# Altium PCB Arm.PcbDoc (part 1 of 2)
Units mil, origin at the board's own origin, x right, y up, seen from the top; angles counter-clockwise.
Board outline 6299.21 x 2952.76 mil, 4 copper layers (Top Layer, GND, 3V3, Bottom Layer), stack 61.811 mil thick; 133 components, 123 nets, 639 pads, 1064 vias.
Unrouted connection lines stored in the file: 2.
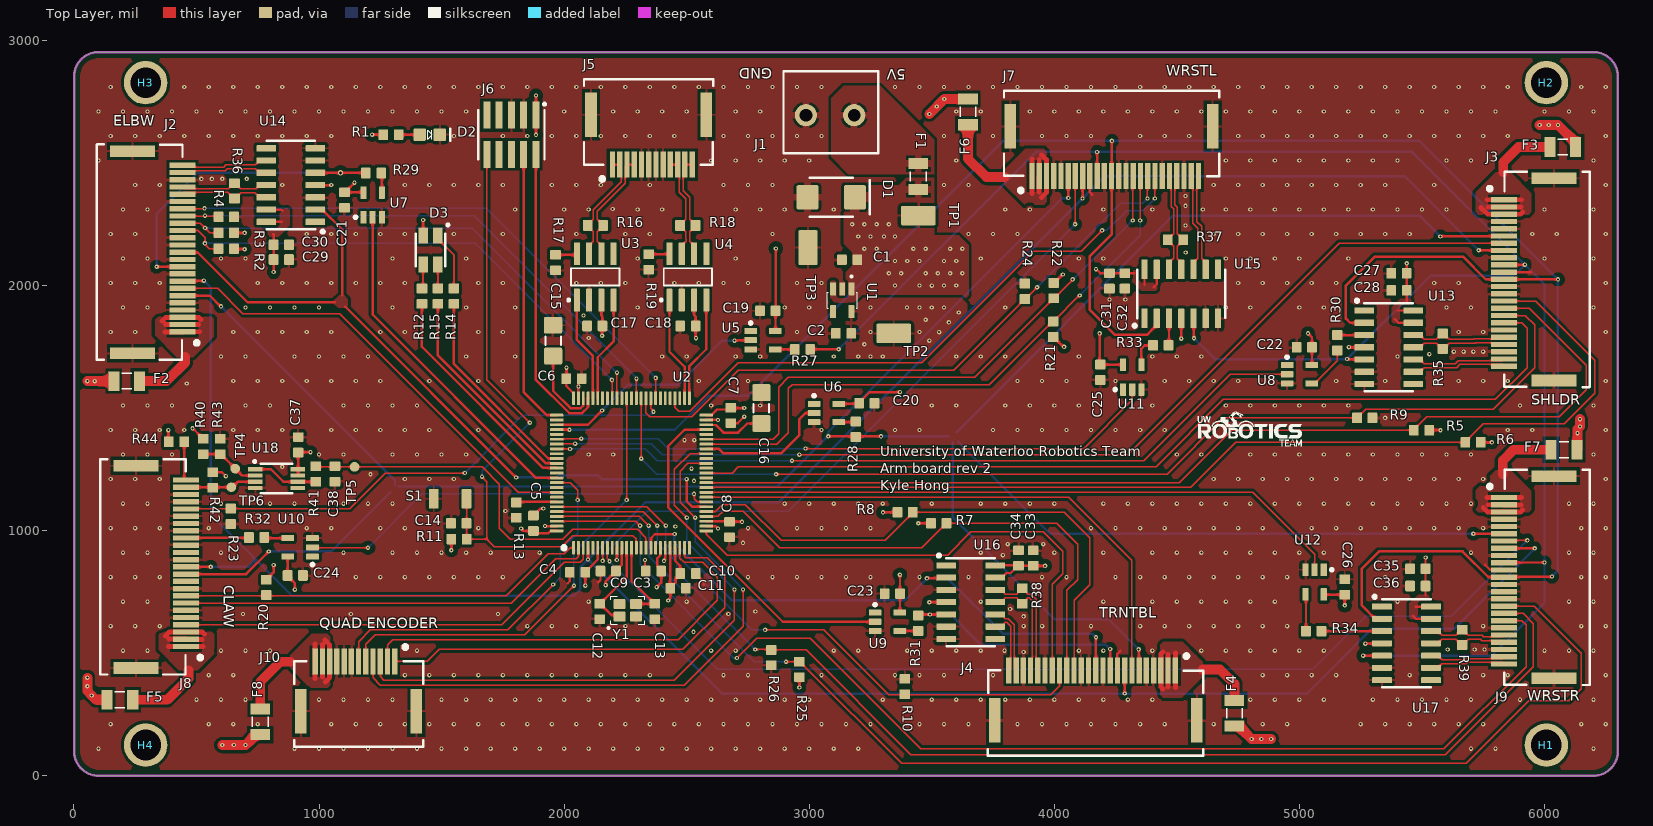
[diagram p0: Top Layer view]
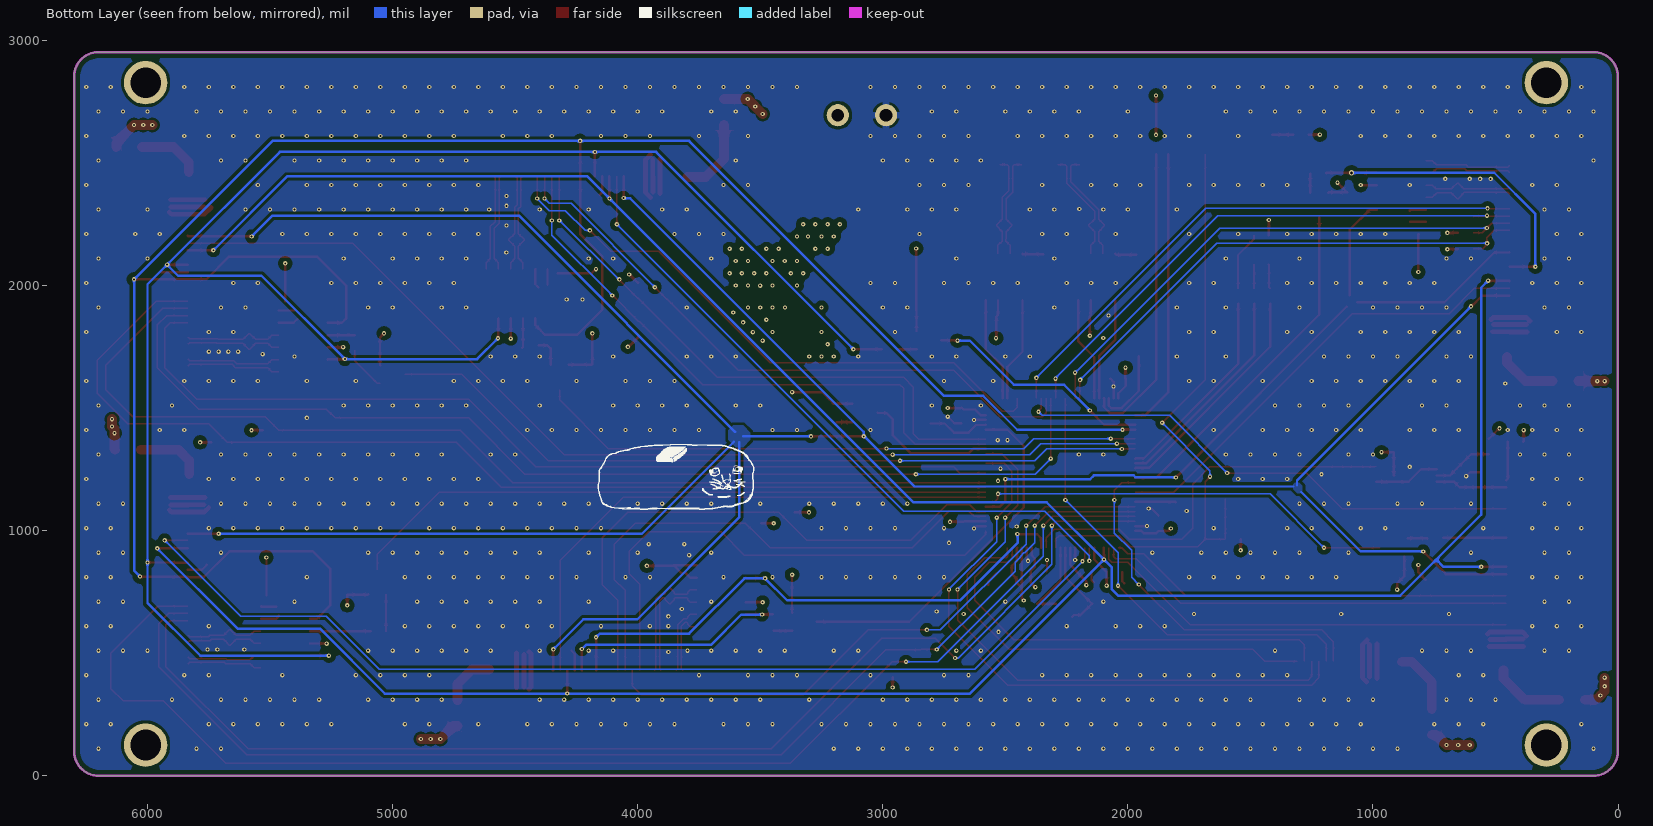
[diagram p1: Bottom Layer view, seen from below]
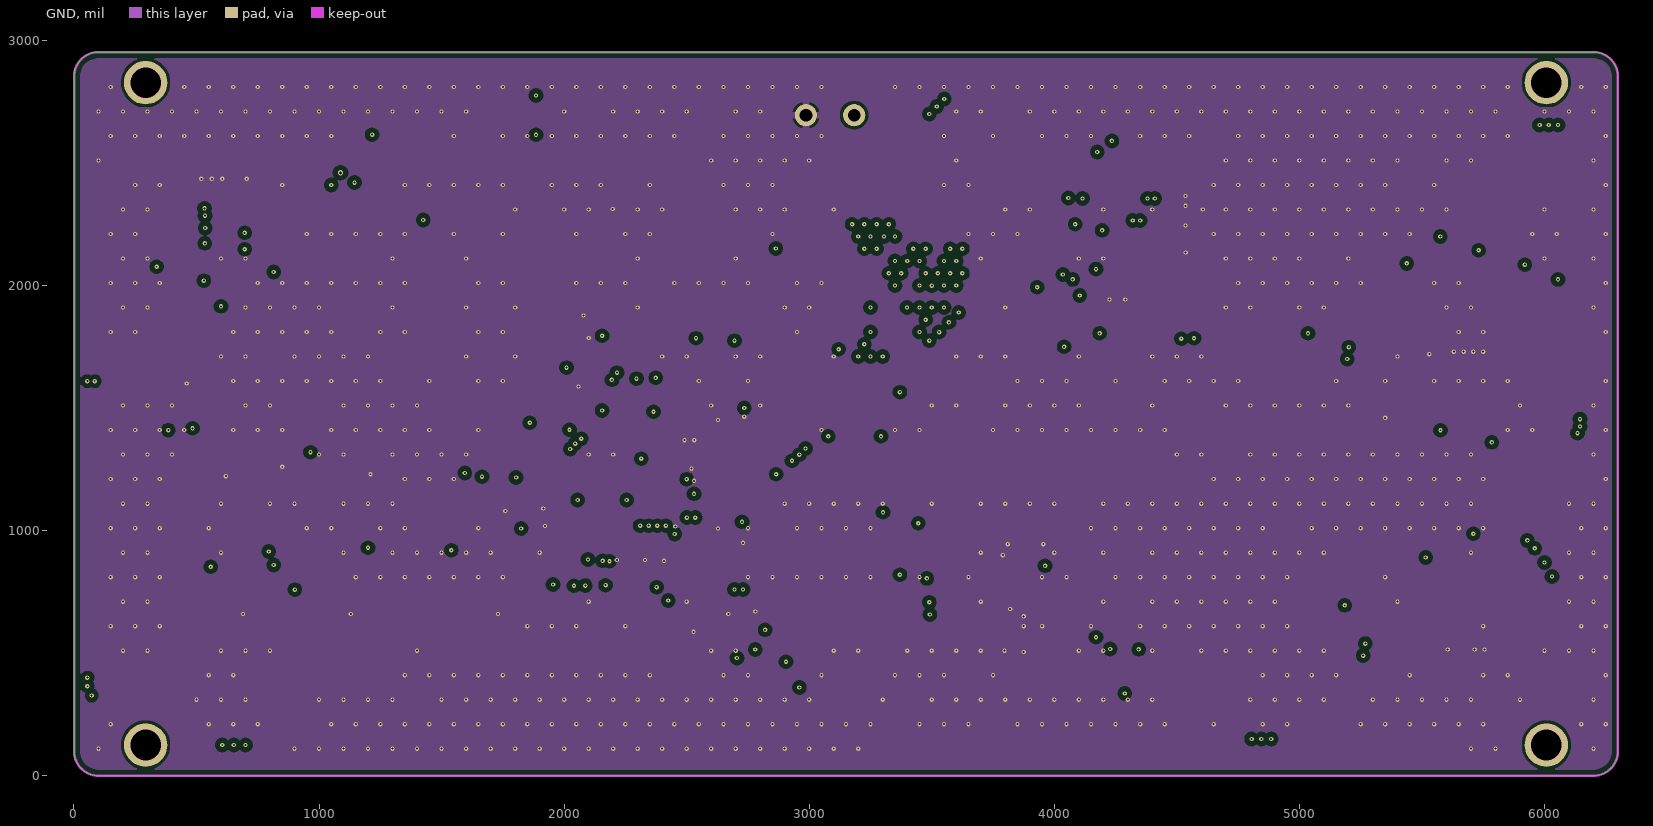
[diagram p2: GND]
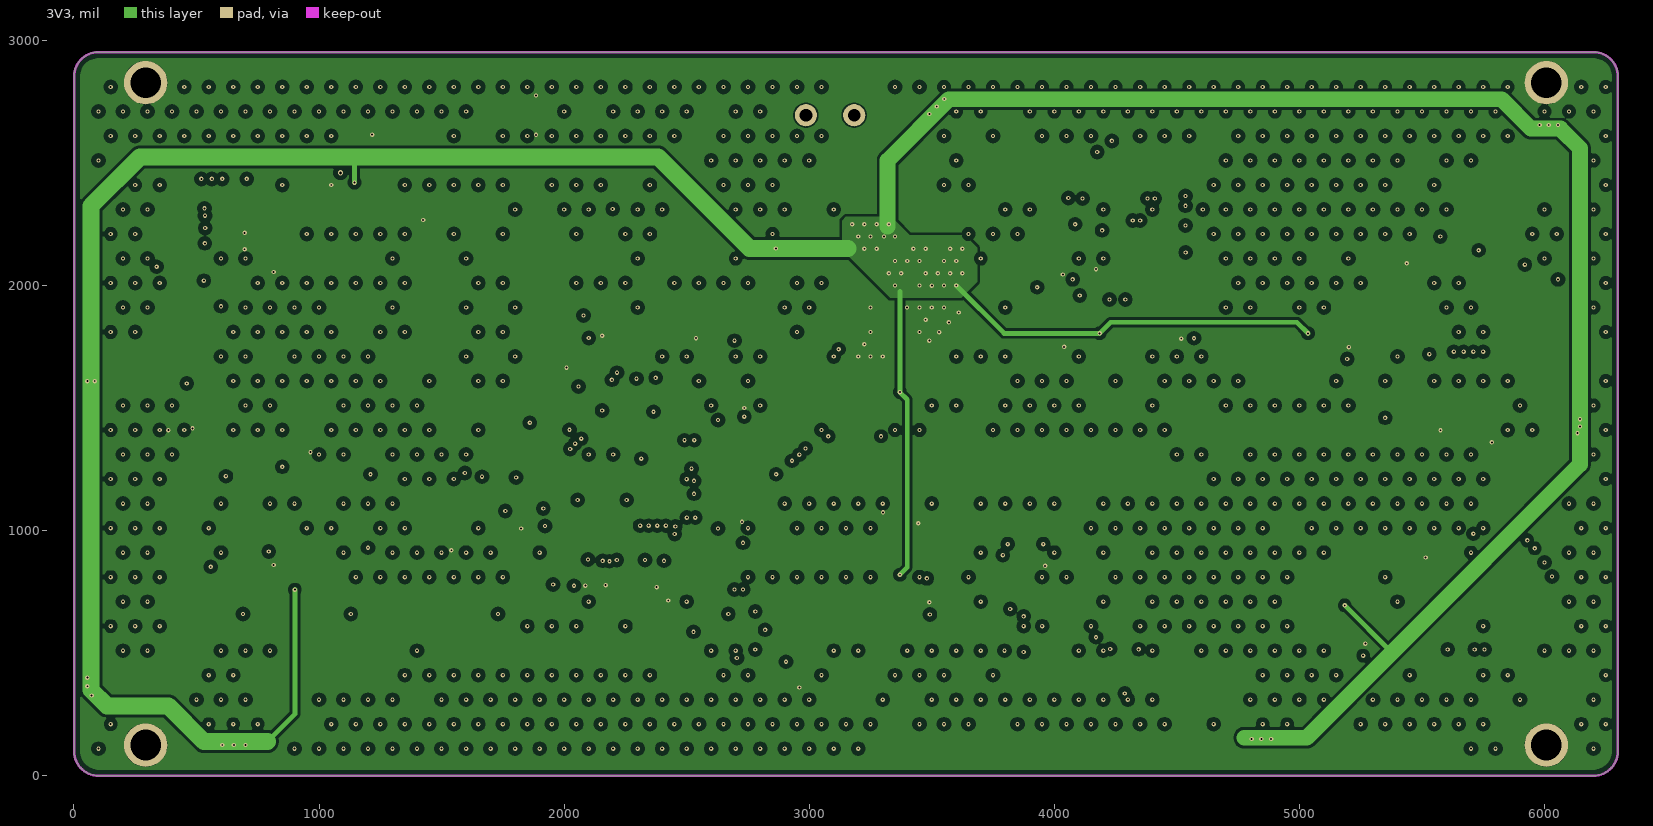
[diagram p3: 3V3]
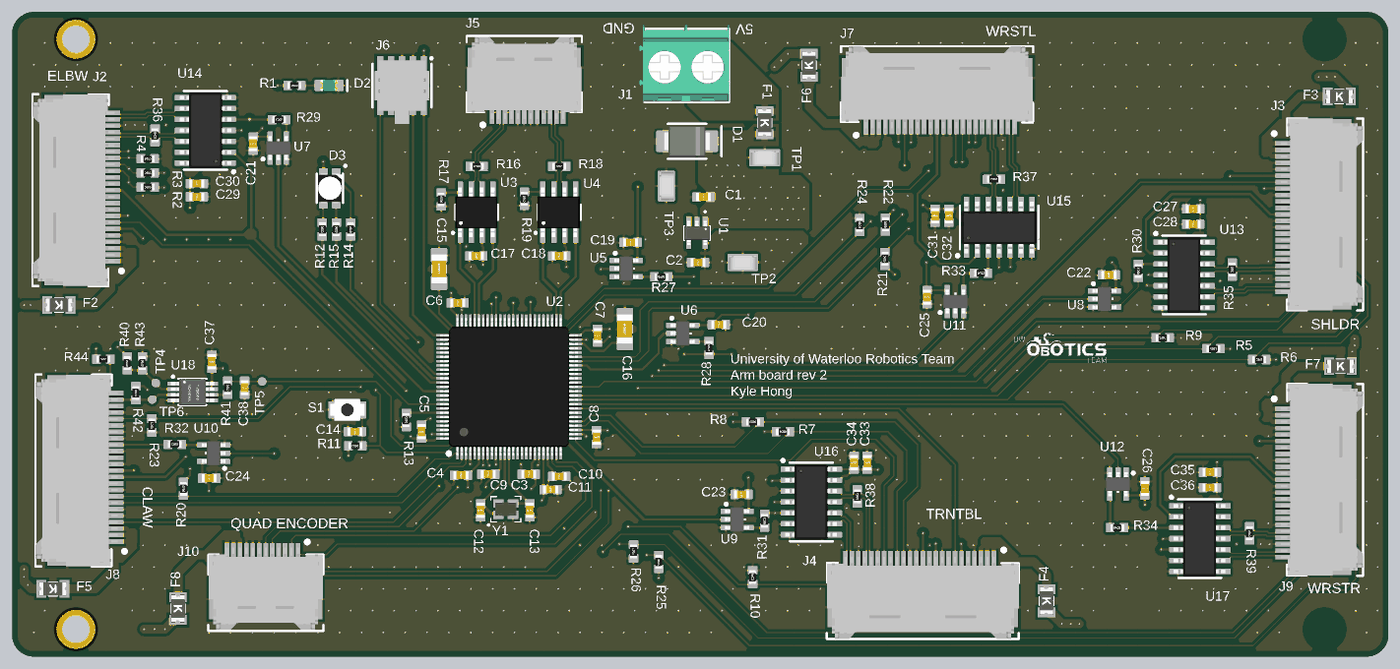
[diagram p5: 3D render of the assembled board from above, using the file's embedded part models]

## Layer stack, top to bottom
Top Solder: solder mask 0.5, Solder Resist, Dk 3.8
Top Layer: signal copper 1.378
Dielectric 1: prepreg 7.874, 7628, Dk 4.6
GND: signal copper 0.689
Core: core 41.929, FR-4, Dk 4.5
3V3: signal copper 0.689
Dielectric 2: prepreg 7.874, 7628, Dk 4.6
Bottom Layer: signal copper 1.378
Bottom Solder: solder mask 0.5, Solder Resist, Dk 3.8

## Board outline
0.5,99.8 0.5,2852.56 cw(c100.5,2852.56) 100.5,2952.56 6199.71,2952.56 cw(c6199.71,2852.56) 6299.71,2852.56 6299.71,99.8 cw(c6199.71,99.8) 6199.71,-0.2 100.5,-0.2 cw(c100.5,99.8)

## Design rules (kind name [scope] priority, off if disabled: settings)
BoardOutlineClearance [All] p1: gap=25 ignorepadtopadclearanceinfootprint=FALSE
Clearance [All] p1: gap=6 ignorepadtopadclearanceinfootprint=FALSE except(12.5: Arc-Poly Track-Poly SMDPad-Poly THPad-Poly Via-Poly Fill-Poly Poly-Poly Region-Hole; 25: Fill-Hole Poly-Hole)
ComponentClearance [All] p1: gap=4 collisioncheckmode=3 verticalgap=4 showdistances=TRUE
DiffPairsRouting [All] p1: maxlimit=9.41 minlimit=5 mostfreqgap=5 toplayer_mingap=9.41 toplayer_prefgap=9.41 toplayer_minwidth=6 toplayer_maxwidth=10 toplayer_prefwidth=6 midlayer1_maxgap=5 midlayer1_minwidth=1.96 midlayer1_maxwidth=1.96 midlayer1_prefwidth=1.96 midlayer2_maxgap=5 midlayer2_minwidth=1.96 midlayer2_maxwidth=1.96 midlayer2_prefwidth=1.96 bottomlayer_maxgap=5 bottomlayer_minwidth=3.45 bottomlayer_maxwidth=3.45 bottomlayer_prefwidth=3.45 impedanceprofiledriven=TRUE impedanceprofileid={C0D9B8B2-C4D3-4B4A-A951-7418B86050B7} impedanceprofilevalue=120.000000 maxuncoupledlength=500
Height [All] p1: minheight=0 maxheight=71497.94 prefheight=500
HoleSize [All] p1: absolutevalues=TRUE maxlimit=248.03 minlimit=7.87 maxpercent=80.000 minpercent=20.000
HoleToHoleClearance [All] p1: gap=9.84 allowstackedmicrovias=FALSE
MinimumAnnularRing [All] p1: minimumring=3
MinimumSolderMaskSliver [All] p1: minsoldermaskwidth=3
PlaneClearance [All] p1: clearance=10
PlaneConnect [All] p1: pad.planeconnectstyle=Relief pad.reliefexpansion=12.5 pad.reliefentries=4 pad.reliefconductorwidth=10 pad.reliefairgap=12.5 via.planeconnectstyle=Direct via.reliefexpansion=11.81 via.reliefentries=4 via.reliefconductorwidth=5 via.reliefairgap=5
PolygonConnect PolygonConnectPowerPads [All vs (InPadClass('PowerPads'))] p1: connectstyle=Direct reliefconductorwidth=10 reliefentries=4 polygonreliefangle="90 Angle" airgapwidth=10
PolygonConnect [All] p2: thpad.connectstyle=Relief thpad.reliefconductorwidth=10 thpad.reliefentries=4 thpad.polygonreliefangle="90 Angle" thpad.airgapwidth=12.5 smdpad.connectstyle=Relief smdpad.reliefconductorwidth=10 smdpad.reliefentries=4 smdpad.polygonreliefangle="90 Angle" smdpad.airgapwidth=12.5 via.connectstyle=Direct via.reliefconductorwidth=5 via.reliefentries=4 via.polygonreliefangle="90 Angle" via.airgapwidth=5
RoutingVias [All] p1: holewidth=7.87 width=17.72 viastyle="Through Hole" minholewidth=7.87 minwidth=17.72 maxholewidth=248.03 maxwidth=257.87
SilkToSilkClearance [All] p1: silktosilkclearance=0
SilkToSolderMaskClearance [IsPad] p1: minsilkscreentomaskgap=4 clearancetoexposedcopper=TRUE
SolderMaskExpansion [All] p1: expansion=1.97 istentingtop=FALSE
Width [All] p1: maxlimit=71497.94 minlimit=6 preferedwidth=6 minimp=50.000000 maximp=50.000000 favimp=50.000000
20 further rules are at their usual default settings.

## Classes and differential pairs
component class "SH8 - FORCE SENSITIVE RESISTOR": C37 C38 R40 R41 R42 R43 R44 TP4 TP5 TP6 U18
component class "SH7 - CAN": C17 C18 J5 R16 R17 R18 R19 U3 U4
component class "SH6 - MICROCONTROLLER": C3 C4 C5 C6 C7 C8 C9 C10 C11 C12 C13 C14 C15 C16 D3 J6 R11 R12 R13 R14 R15 S1 U2 Y1
component class "SH5 - NETZER ENCODERS": C27 C28 C29 C30 C31 C32 C33 C34 C35 C36 R35 R36 R37 R38 R39 U13 U14 U15 U16 U17
component class "SH4 - LEVEL SHIFTERS": C19 C20 C21 C22 C23 C24 C25 C26 R27 R28 R29 R30 R31 R32 R33 R34 U5 U6 U7 U8 U9 U10 U11 U12
component class "SH3 - CONNECTORS_2": F5 F6 F7 F8 J7 J8 J9 J10 R20 R21 R22 R23 R24 R25 R26
component class "SH2 - CONNECTORS_1": F2 F3 F4 J2 J3 J4 R2 R3 R4 R5 R6 R7 R8 R9 R10
component class "SH1 - POWER": C1 C2 D1 D2 F1 H1 H2 H3 H4 J1 R1 TP1 TP2 TP3 U1
differential pair CAN2: +CAN2_P -CAN2_N
differential pair CAN1: +CAN1_P -CAN1_N
differential pair BISS_WRSTR_DATA: +BISS_WRSTR_DATA_P -BISS_WRSTR_DATA_N
differential pair BISS_WRSTR_CLK: +BISS_WRSTR_CLK_P -BISS_WRSTR_CLK_N
differential pair BISS_WRSTL_DATA: +BISS_WRSTL_DATA_P -BISS_WRSTL_DATA_N
differential pair BISS_WRSTL_CLK: +BISS_WRSTL_CLK_P -BISS_WRSTL_CLK_N
differential pair BISS_TRNTBL_DATA: +BISS_TRNTBL_DATA_P -BISS_TRNTBL_DATA_N
differential pair BISS_TRNTBL_CLK: +BISS_TRNTBL_CLK_P -BISS_TRNTBL_CLK_N
differential pair BISS_SHLDR_DATA: +BISS_SHLDR_DATA_P -BISS_SHLDR_DATA_N
differential pair BISS_SHLDR_CLK: +BISS_SHLDR_CLK_P -BISS_SHLDR_CLK_N
differential pair BISS_ELBW_DATA: +BISS_ELBW_DATA_P -BISS_ELBW_DATA_N
differential pair BISS_ELBW_CLK: +BISS_ELBW_CLK_P -BISS_ELBW_CLK_N

## Components (designator, comment, footprint, x,y, rotation, side; value= is the part's Value field where it differs from the comment)
C1 "CAP_1uF_25V_0603" CAP0603 3165,2105 r0 top
C2 "CAP_1uF_25V_0603" CAP0603 3140,1805 r0 top
C3 "CAP_0.1uF_50V_0603" CAP0603 2365,835 r180 top value=0.1¥ìF
C4 "CAP_0.1uF_50V_0603" CAP0603 2055,830 r180 top value=0.1¥ìF
C5 "CAP_0.1uF_50V_0603" CAP0603 1875,1030 r90 top value=0.1¥ìF
C6 "CAP_0.1uF_50V_0603" CAP0603 2040,1620 r0 top value=0.1¥ìF
C7 "CAP_0.1uF_50V_0603" CAP0603 2680,1470 r270 top value=0.1¥ìF
C8 "CAP_0.1uF_50V_0603" CAP0603 2675,1005 r270 top value=0.1¥ìF
C9 "CAP_0.1uF_50V_0603" CAP0603 2180,835 r180 top value=0.1¥ìF
C10 "CAP_0.1uF_50V_0603" CAP0603 2505,825 r180 top value=0.1¥ìF
C11 "CAP_1uF_25V_0603" CAP0603 2465,765 r180 top
C12 "CAP_14pF_50V_0603" CAP0603 2145,670 r90 top value=14pF
C13 "CAP_14pF_50V_0603" CAP0603 2370,670 r90 top value=14pF
C14 "CAP_1uF_25V_0603" CAP0603 1570,1030 r0 top
C15 "CAP_4.7uF_50V_1206" CAP1206 1955,1775 r270 top
C16 "CAP_4.7uF_50V_1206" CAP1206 2805,1500 r270 top
C17 "CAP_0.1uF_50V_0603" CAP0603 2125,1835 r180 top value=0.1¥ìF
C18 "CAP_0.1uF_50V_0603" CAP0603 2505,1835 r180 top value=0.1¥ìF
C19 "CAP_0.1uF_50V_0603" CAP0603 2831,1897 r0 top value=0.1¥ìF
C20 "CAP_0.1uF_50V_0603" CAP0603 3235,1520 r180 top value=0.1¥ìF
C21 "CAP_0.1uF_50V_0603" CAP0603 1104,2349 r90 top value=0.1¥ìF
C22 "CAP_0.1uF_50V_0603" CAP0603 5020,1748 r0 top value=0.1¥ìF
C23 "CAP_0.1uF_50V_0603" CAP0603 3339,743 r0 top value=0.1¥ìF
C24 "CAP_0.1uF_50V_0603" CAP0603 903,817 r180 top value=0.1¥ìF
C25 "CAP_0.1uF_50V_0603" CAP0603 4188,1646 r90 top value=0.1¥ìF
C26 "CAP_0.1uF_50V_0603" CAP0603 5185,770 r270 top value=0.1¥ìF
C27 "CAP_1uF_25V_0603" CAP0603 5406.12,2050 r0 top
C28 "CAP_0.1uF_50V_0603" CAP0603 5406.12,1980 r0 top value=0.1¥ìF
C29 "CAP_1uF_25V_0603" CAP0603 846,2106 r180 top
C30 "CAP_0.1uF_50V_0603" CAP0603 846,2166 r180 top value=0.1¥ìF
C31 "CAP_1uF_25V_0603" CAP0603 4225,2019.12 r90 top
C32 "CAP_0.1uF_50V_0603" CAP0603 4288,2019.12 r90 top value=0.1¥ìF
C33 "CAP_1uF_25V_0603" CAP0603 3914,888 r270 top
C34 "CAP_0.1uF_50V_0603" CAP0603 3854,888 r270 top value=0.1¥ìF
C35 "CAP_1uF_25V_0603" CAP0603 5483,844 r0 top
C36 "CAP_0.1uF_50V_0603" CAP0603 5483,774 r0 top value=0.1¥ìF
C37 "CAP_0.1uF_50V_0603" CAP0603 915,1350 r270 top value=0.1¥ìF
C38 "CAP_0.1uF_50V_0603" CAP0603 1065,1231.5 r90 top value=0.1¥ìF
D1 "TVS_DIODE_UNIDIR_5V" SMBJ5.0A 3090,2360 r180 top
D2 "DIO_LED_G" LED_0805_GREEN 1451.57,2615.47 r0 top
D3 "LED_RGB" LED_RGB 1455,2145 r180 top
F1 "FUSE_3A_1206" FUSE_1206 3445,2445 r270 top
F2 "FUSE_125mA_1206" FUSE_1206 215,1610 r180 top
F3 "FUSE_125mA_1206" FUSE_1206 6075,2565 r0 top
F4 "FUSE_125mA_1206" FUSE_1206 4735,255 r270 top
F5 "FUSE_1A_1206" FUSE_1206 187.5,310 r180 top
F6 "FUSE_125mA_1206" FUSE_1206 3648,2708.5 r90 top
F7 "FUSE_125mA_1206" FUSE_1206 6080,1330 r0 top
F8 "FUSE_125mA_1206" FUSE_1206 760,220 r270 top
H1 "MOUNTING_HOLE_M3" MOUNTING_HOLE_3mm#1 8070.87,-192.85 r0 top locked
H2 "MOUNTING_HOLE_M3" MOUNTING_HOLE_3mm#2 8267.72,2366.2 r0 top locked
H3 "MOUNTING_HOLE_M3" MOUNTING_HOLE_3mm#3 292.32,2827.82 r0 top locked
H4 "MOUNTING_HOLE_M3" MOUNTING_HOLE_3mm#4 530,274 r0 top locked
J1 "CON_2M_TERM" 1935161 3085,2695 r180 top
J2 "CON_12x2M_SM_RA" MOLEX-5031482490 341,2136 r270 top
J3 "CON_12x2M_SM_RA" MOLEX-5031482490 5936.87,2025.17 r90 top
J4 "CON_12x2M_SM_RA" MOLEX-5031482490 4169,328 r0 top
J5 "CON_6x2M_SM_RA" MOLEX-5031481290 2345,2595 r180 top
J6 "CON_PROGRAMMING" FTSH-105-01-F-DV-K-P-TR 1785,2615 r180 top
J7 "CON_12x2M_SM_RA" MOLEX-5031482490 4233.67,2547.87 r180 top
J8 "CON_12x2M_SM_RA" MOLEX-5031482490 355.13,852 r270 top
J9 "CON_12x2M_SM_RA" MOLEX-5031482490 5937,810 r90 top
J10 "CON_6x2M_SM_RA" MOLEX-5031481290 1161.43,364.87 r0 top
R1 "RES_120Ω_0603_5%_HP" RESC0603 1324.56,2615.47 r180 top
R2 "RES_10kΩ_0603_5%" RESC0603 590,2150 r0 top value=10k¥Ø
R3 "RES_10kΩ_0603_5%" RESC0603 590,2215 r0 top value=10k¥Ø
R4 "RES_10kΩ_0603_5%" RESC0603 652.99,2280 r180 top value=10k¥Ø
R5 "RES_10kΩ_0603_5%" RESC0603 5467.01,1410 r0 top value=10k¥Ø
R6 "RES_10kΩ_0603_5%" RESC0603 5677.01,1360 r0 top value=10k¥Ø
R7 "RES_10kΩ_0603_5%" RESC0603 3560,1030 r180 top value=10k¥Ø
R8 "RES_10kΩ_0603_5%" RESC0603 3422.99,1075 r180 top value=10k¥Ø
R9 "RES_10kΩ_0603_5%" RESC0603 5297.99,1460 r180 top value=10k¥Ø
R10 "RES_10kΩ_0603_5%" RESC0603 3390,395 r270 top value=10k¥Ø
R11 "RES_10kΩ_0603_5%" RESC0603 1540,965 r0 top value=10k¥Ø
R12 "RES_20Ω_0603_5%" RESC0603 1420,1987.99 r270 top value=20¥Ø
R13 "RES_10kΩ_0603_5%" RESC0603 1805,1115 r270 top value=10k¥Ø
R14 "RES_120Ω_0603_5%_HP" RESC0603 1550,1925 r90 top
R15 "RES_20Ω_0603_5%" RESC0603 1485,1987.99 r270 top value=20¥Ø
R16 "RES_120Ω_0603_5%_HP" RESC0603 2158.99,2245 r180 top
R17 "RES_0Ω_0603" RESC0603 1965,2062.01 r90 top value=0¥Ø
R18 "RES_120Ω_0603_5%_HP" RESC0603 2535.99,2245 r180 top
R19 "RES_0Ω_0603" RESC0603 2345,2065 r90 top value=0¥Ø
R20 "RES_10kΩ_0603_5%" RESC0603 785,737.01 r90 top value=10k¥Ø
R21 "RES_10kΩ_0603_5%" RESC0603 3995,1852.99 r270 top value=10k¥Ø
R22 "RES_10kΩ_0603_5%" RESC0603 3997.5,1947.5 r90 top value=10k¥Ø
R23 "RES_10kΩ_0603_5%" RESC0603 640,1027.01 r90 top value=10k¥Ø
R24 "RES_10kΩ_0603_5%" RESC0603 3880,2007.99 r270 top value=10k¥Ø
R25 "RES_10kΩ_0603_5%" RESC0603 2960,465 r270 top value=10k¥Ø
R26 "RES_10kΩ_0603_5%" RESC0603 2845,450 r90 top value=10k¥Ø
R27 "RES_33Ω_0603_1%" RESC0603 2941,1739.01 r0 top
R28 "RES_33Ω_0603_1%" RESC0603 3190,1445 r270 top
R29 "RES_33Ω_0603_1%" RESC0603 1254,2459 r180 top
R30 "RES_33Ω_0603_1%" RESC0603 5155,1735.01 r90 top
R31 "RES_33Ω_0603_1%" RESC0603 3444.59,590.6 r90 top
R32 "RES_33Ω_0603_1%" RESC0603 777,972 r180 top
R33 "RES_33Ω_0603_1%" RESC0603 4403,1756 r0 top
R34 "RES_33Ω_0603_1%" RESC0603 5027,590 r0 top
R35 "RES_120Ω_0603_5%_HP" RESC0603 5585,1741 r90 top
R36 "RES_120Ω_0603_5%_HP" RESC0603 655,2417.99 r270 top
R37 "RES_120Ω_0603_5%_HP" RESC0603 4525.99,2186.31 r180 top
R38 "RES_120Ω_0603_5%_HP" RESC0603 3869,702.01 r90 top
R39 "RES_120Ω_0603_5%_HP" RESC0603 5664,533.01 r90 top
R40 "RES_1.1kΩ_0603_1%" RESC0603 527,1312 r90 top value=1.1k¥Ø
R41 "RES_14.3kΩ_0603_1%" RESC0603 987,1199.99 r90 top value=14.3k¥Ø
R42 "RES_2.2kΩ_0603_1%" RESC0603 567,1237.98 r270 top value=2.2k¥Ø
R43 "RES_14.3kΩ_0603_1%" RESC0603 597,1374.99 r270 top value=14.3k¥Ø
R44 "RES_0Ω_0603" RESC0603 387,1362 r0 top value=0¥Ø
S1 "SW_TACTILE" B3U-1000P 1535,1130 r0 top
TP1 "TESTPOINT_SMD_LOOP" S1751-46R 3445.33,2284.94 r0 top
TP2 "TESTPOINT_SMD_LOOP" S1751-46R 3345,1805 r0 top
TP3 "TESTPOINT_SMD_LOOP" S1751-46R 2995,2155 r90 top
TP4 "TESTPOINT_1MM_CIRCLE" TESTPOINT_CIRCLE_1MM 657.98,1252.98 r180 top
TP5 "TESTPOINT_1MM_CIRCLE" TESTPOINT_CIRCLE_1MM 1145,1260 r180 top
TP6 "TESTPOINT_1MM_CIRCLE" TESTPOINT_CIRCLE_1MM 642,1177 r180 top
U1 "LDO_3.3V_600mA" SOT95P285X140-5N 3135,1940 r270 top
U2 "STM32F446VET6" STM32F446VET6 2275,1235 r90 top
U3 "LTC2875" LT-S8_N 2127,2035 r90 top
U4 "LTC2875" LT-S8_N 2505,2035 r90 top
U5 "SN74LV1T34" SN74LV1T34DBVR 2811.35,1777 r0 top
U6 "SN74LV1T34" SN74LV1T34DBVR 3070,1480 r0 top
U7 "SN74LV1T34" SN74LV1T34DBVR 1219,2329 r90 top
U8 "SN74LV1T34" SN74LV1T34DBVR 5000,1638 r0 top
U9 "SN74LV1T34" SN74LV1T34DBVR 3319,628 r0 top
U10 "SN74LV1T34" SN74LV1T34DBVR 923,931.7 r180 top
U11 "SN74LV1T34" SN74LV1T34DBVR 4318,1626 r90 top
U12 "SN74LV1T34" SN74LV1T34DBVR 5062,790 r270 top
U13 "MAX3491" MAX3491CSD+T 5365,1748 r0 top
U14 "MAX3491" MAX3491CSD+T 885,2410 r180 top
U15 "MAX3491" MAX3491CSD+T 4518,1966 r90 top
U16 "MAX3491" MAX3491CSD+T 3659,708 r0 top
U17 "MAX3491" MAX3491CSD+T 5437,540 r0 top
U18 "INA332AIDGKR" INA332AIDGKR 827,1212 r270 top
Y1 "CRYSTAL_25MHZ" SOIC254P1016X440-4N 2260,675 r0 top
